# Altium PCB h桥.PcbDoc (part 1 of 2)
Units mil, origin at the board's own origin, x right, y up, seen from the top; angles counter-clockwise.
Board outline 3690 x 3125 mil, 4 copper layers (Top Layer, PWR, GND, Bottom Layer), stack 23.756 mil thick; 113 components, 70 nets, 315 pads, 307 vias.
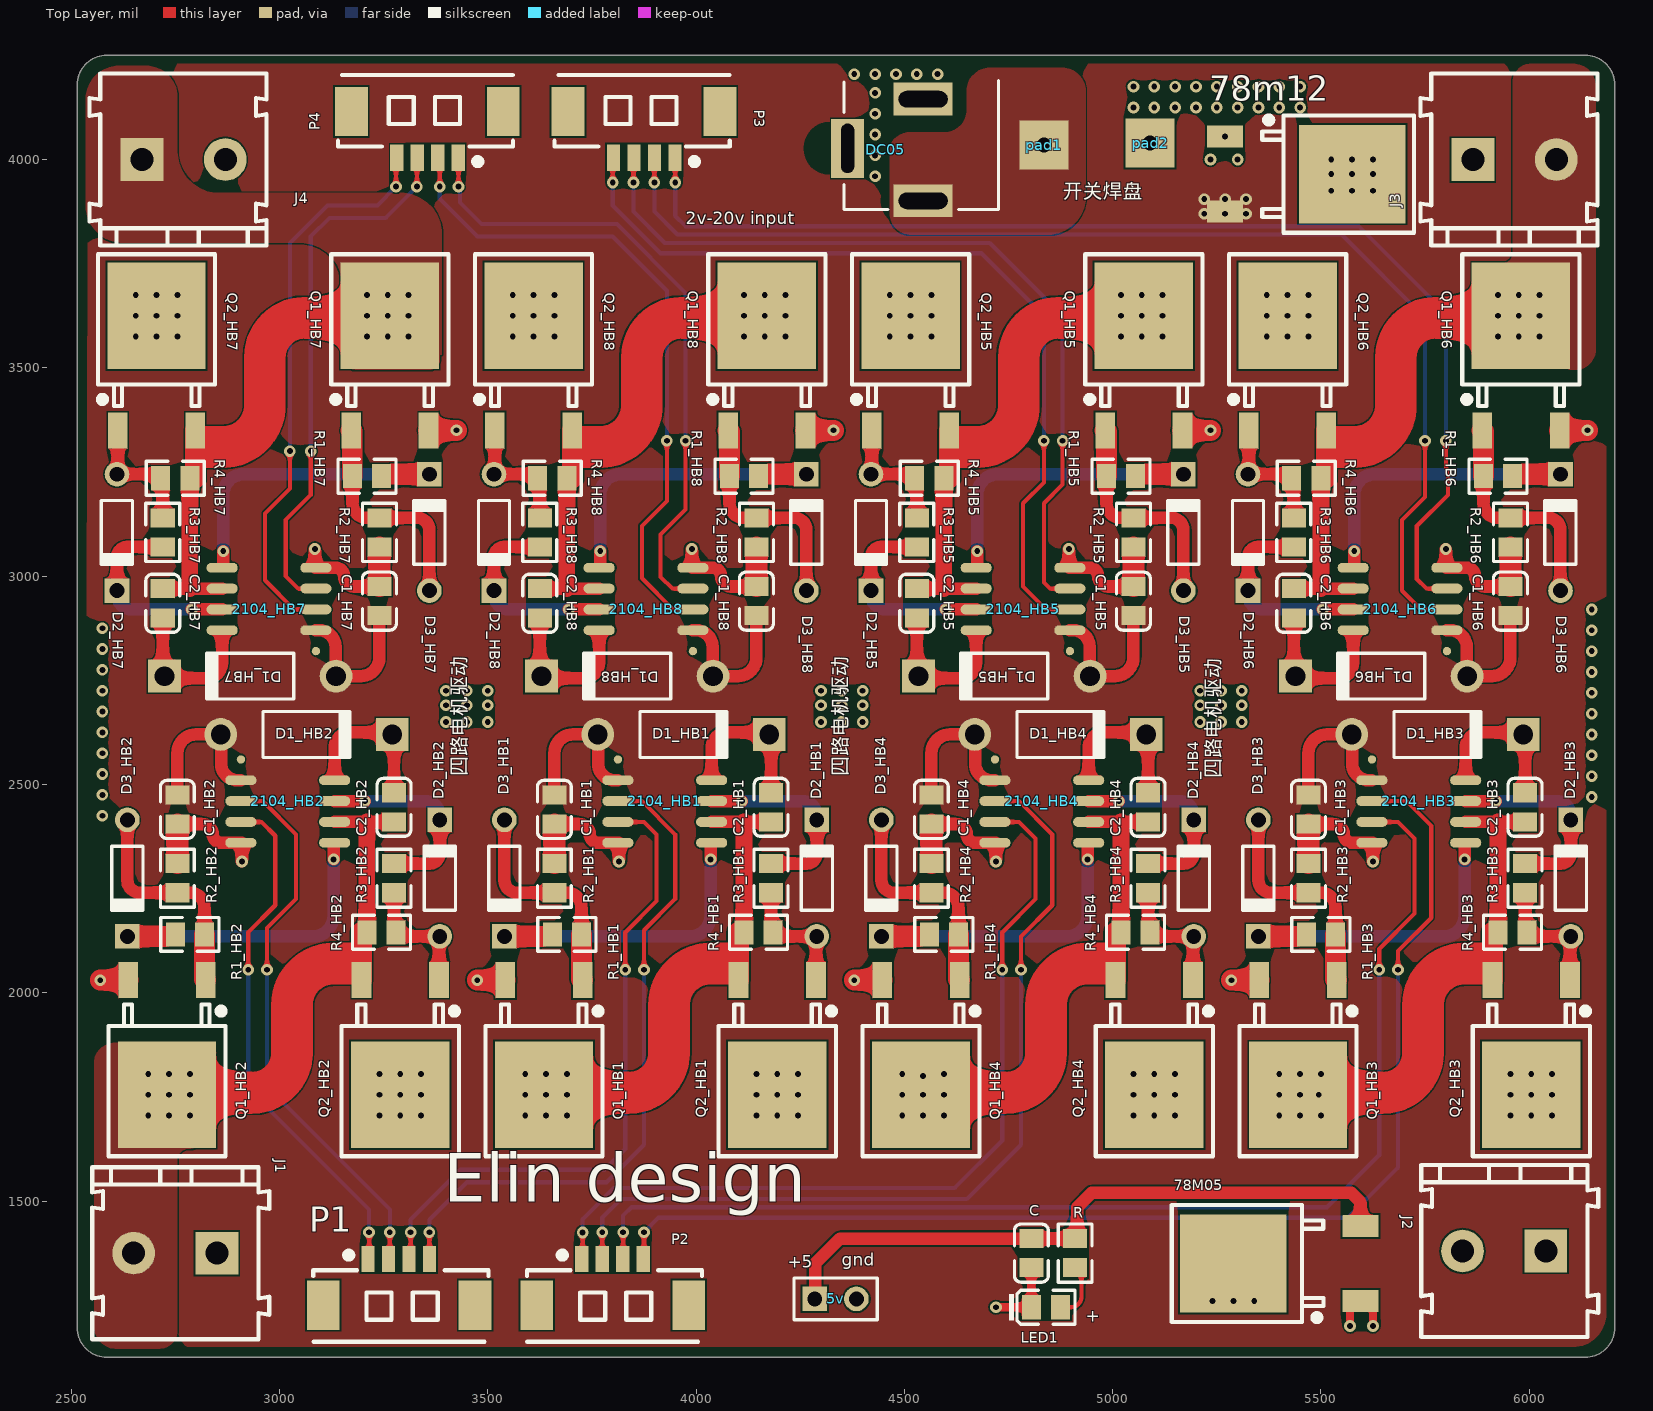
[diagram p0: Top Layer view]
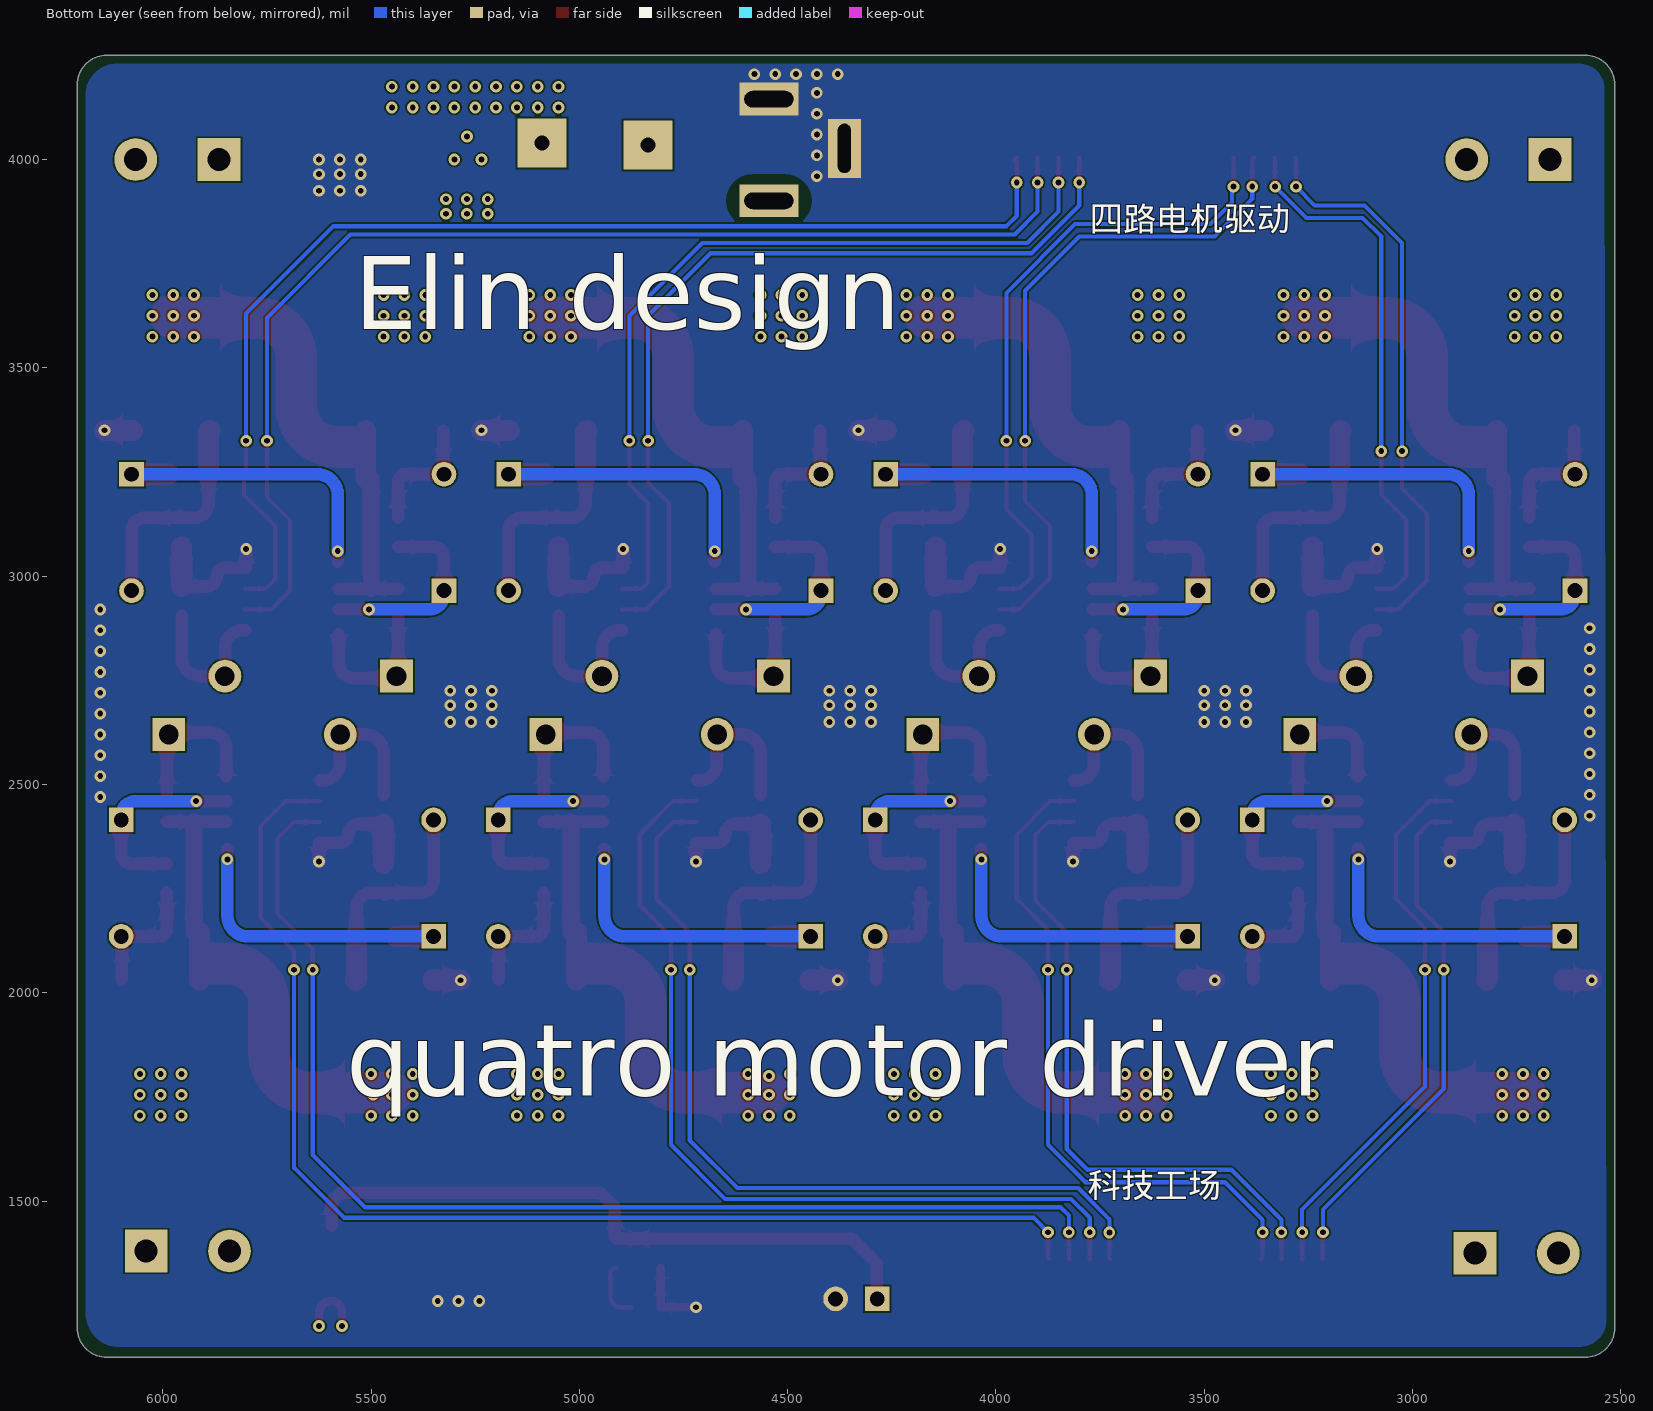
[diagram p1: Bottom Layer view, seen from below]
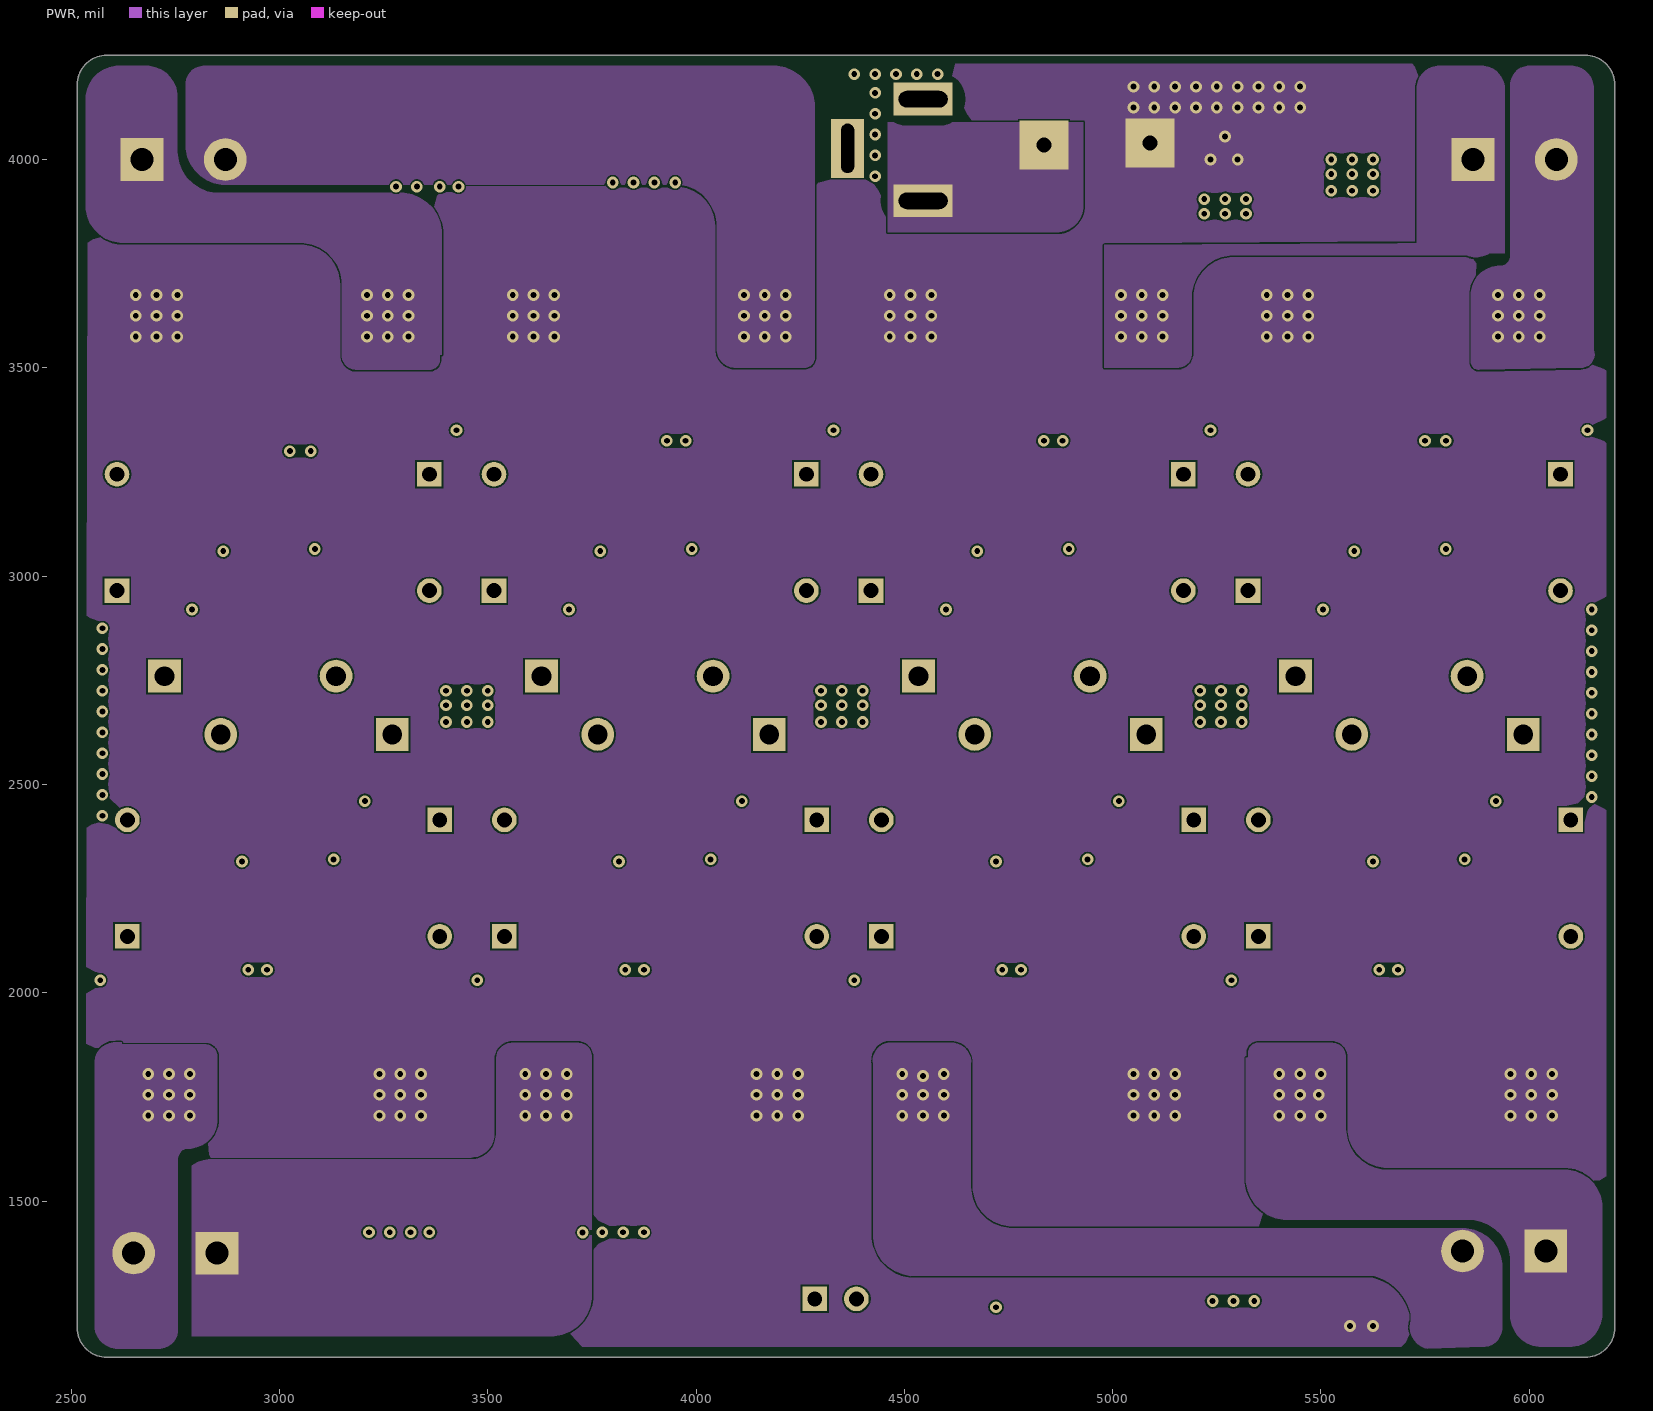
[diagram p2: PWR]
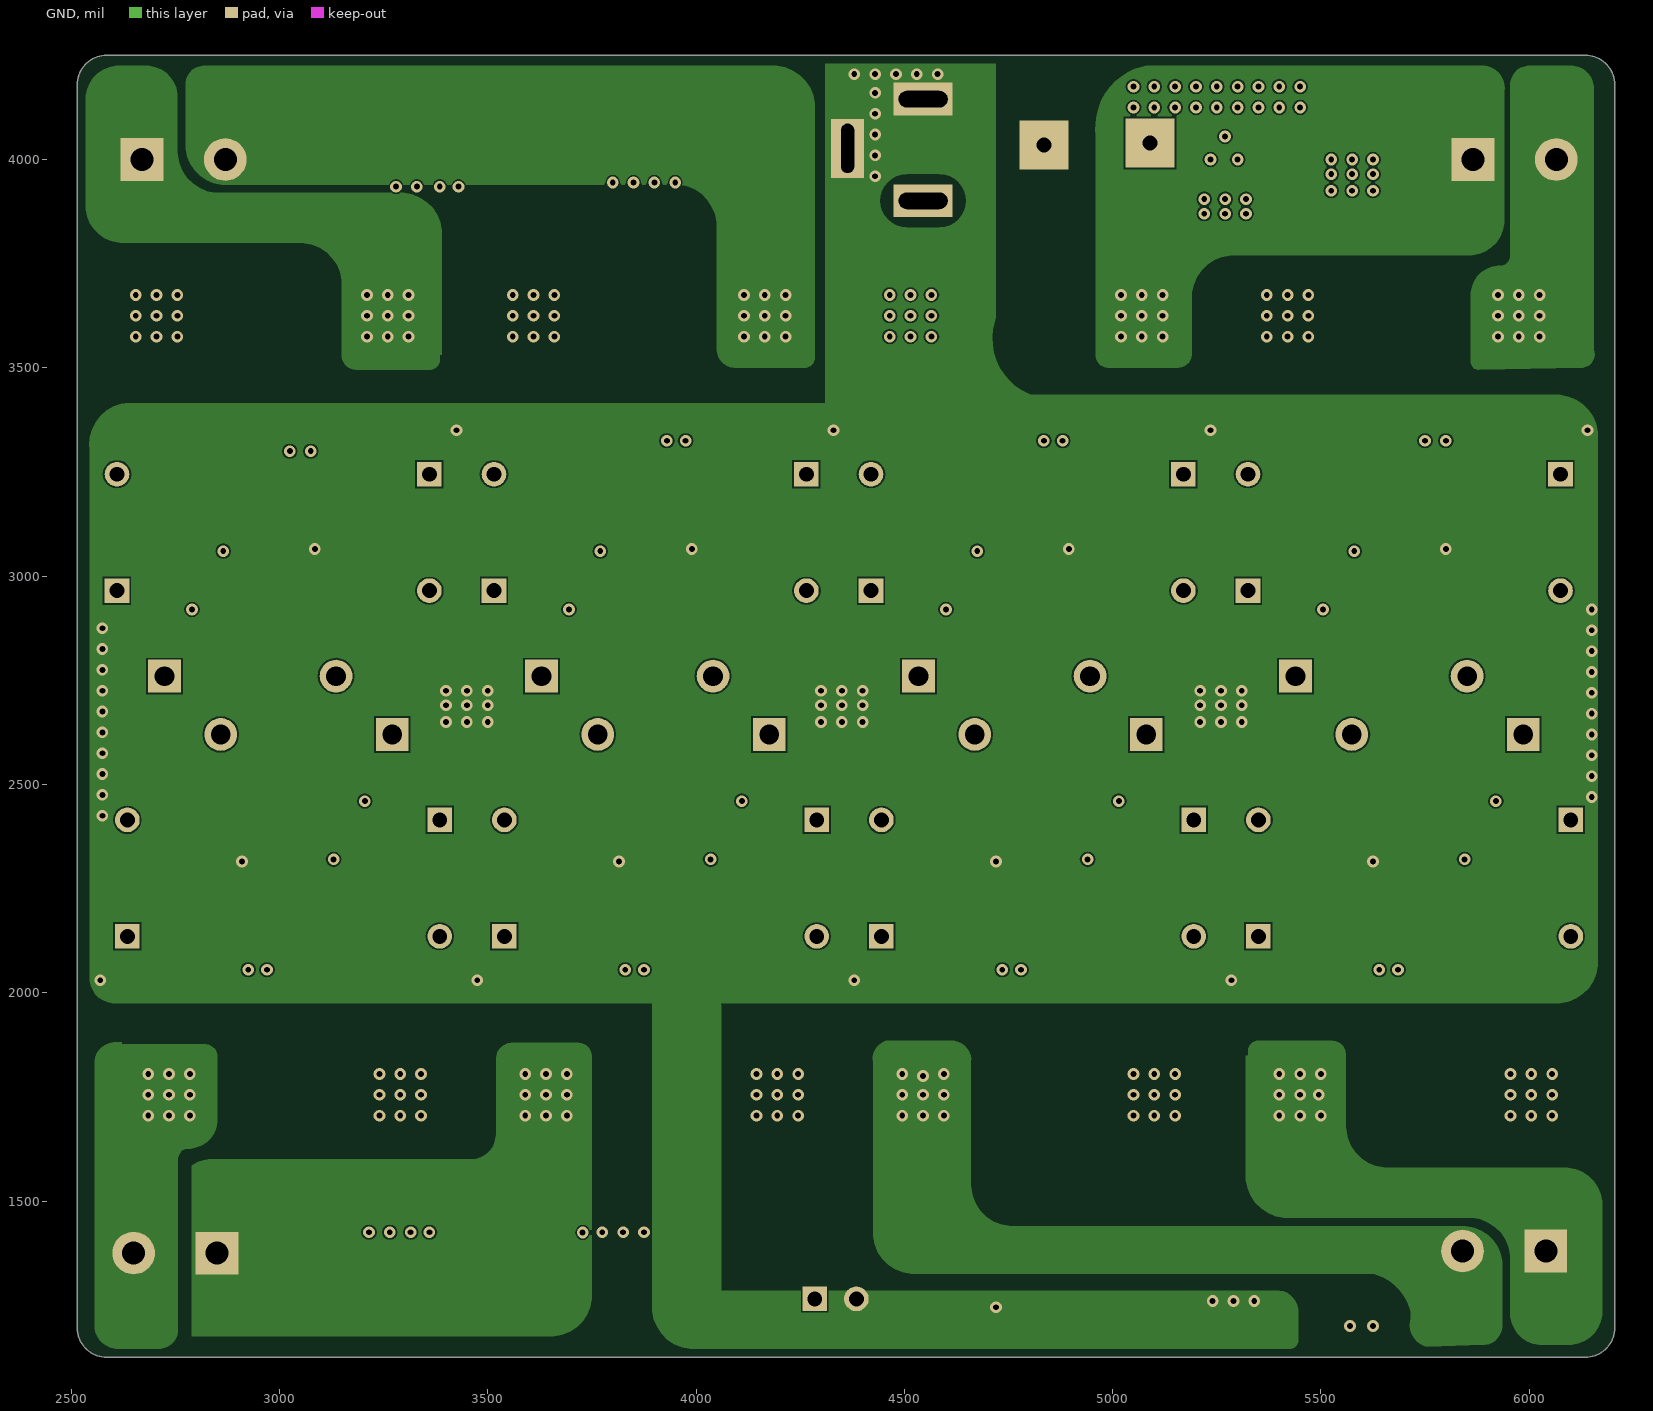
[diagram p3: GND]

## Layer stack, top to bottom
Top Solder: solder mask 0.4, Solder Resist, Dk 3.5
Top Layer: signal copper 1.4
Dielectric 2: prepreg 2.8, PP-006, Dk 4.1
PWR: signal copper 1.378
Dielectric 1: dielectric 12.6, FR-4, Dk 4.8
GND: signal copper 1.378
Dielectric 3: prepreg 2.8, PP-006, Dk 4.1
Bottom Layer: signal copper 1.4
Bottom Solder: solder mask 0.4, Solder Resist, Dk 3.5

## Board outline
2515,1195 2515,4180 cw(c2585,4180) 2585,4250 6135,4250 cw(c6135,4180) 6205,4180 6205,1195 cw(c6135,1195) 6135,1125 2585,1125 cw(c2585,1195)

## Design rules (kind name [scope] priority, off if disabled: settings)
Clearance [All] p1: gap=4 ignorepadtopadclearanceinfootprint=FALSE
HoleSize [All] p1: absolutevalues=TRUE maxlimit=200 minlimit=1 maxpercent=80.000 minpercent=20.000
HoleToHoleClearance [All] p1: gap=4 allowstackedmicrovias=TRUE
MinimumSolderMaskSliver [All] p1: minsoldermaskwidth=4
PlaneConnect [All] p1: planeconnectstyle=Direct reliefexpansion=20 reliefentries=4 reliefconductorwidth=10 reliefairgap=10
PolygonConnect [All] p1: connectstyle=Direct reliefconductorwidth=10 reliefentries=4 polygonreliefangle="90 Angle" airgapwidth=10
RoomDefinition HB8 [InComponentClass('HB8')] p1: confinementstyle=ConfineIn formatcopy=TRUE lockcomponents=FALSE outline 4355,3790 3450,3790 3450,2690 4355,2690
RoomDefinition HB7 [InComponentClass('HB7')] p2: confinementstyle=ConfineIn formatcopy=TRUE lockcomponents=FALSE outline 3450,3790 2545,3790 2545,2690 3450,2690
RoomDefinition HB6 [InComponentClass('HB6')] p3: confinementstyle=ConfineIn formatcopy=TRUE lockcomponents=FALSE outline 6165,3790 5260,3790 5260,2690 6165,2690
RoomDefinition HB5 [InComponentClass('HB5')] p4: confinementstyle=ConfineIn formatcopy=TRUE lockcomponents=FALSE outline 5260,3790 4355,3790 4355,2690 5260,2690
RoomDefinition HB4 [InComponentClass('HB4')] p5: confinementstyle=ConfineIn formatcopy=TRUE lockcomponents=FALSE outline 4355,1590 5260,1590 5260,2690 4355,2690
RoomDefinition HB3 [InComponentClass('HB3')] p6: confinementstyle=ConfineIn formatcopy=TRUE lockcomponents=FALSE outline 5260,1590 6165,1590 6165,2690 5260,2690
RoomDefinition HB2 [InComponentClass('HB2')] p7: confinementstyle=ConfineIn formatcopy=TRUE lockcomponents=FALSE outline 2545,1590 3450,1590 3450,2690 2545,2690
RoomDefinition HB1 [InComponentClass('HB1')] p8: confinementstyle=ConfineIn formatcopy=TRUE lockcomponents=FALSE outline 3450,1590 4355,1590 4355,2690 3450,2690
RoutingVias [All] p1: holewidth=28 width=50 viastyle="Through Hole" minholewidth=14 minwidth=18 maxholewidth=28 maxwidth=50
SilkToSilkClearance [All] p1: silktosilkclearance=4
SilkToSolderMaskClearance [IsPad] p1: minsilkscreentomaskgap=4 clearancetoexposedcopper=TRUE
SolderMaskExpansion [All] p1: expansion=4
Width [All] p1: maxlimit=100 minlimit=10 preferedwidth=10
24 further rules are at their usual default settings.

## Classes and differential pairs
channel class h桥: HB1 HB2 HB3 HB4 HB5 HB6 HB7 HB8
net class SD[1..8]: SD1 SD2 SD3 SD4 SD5 SD6 SD7 SD8
net class PWM[1..8]: PWM1 PWM2 PWM3 PWM4 PWM5 PWM6 PWM7 PWM8
net class MT[1..8]: MT1 MT2 MT3 MT4 MT5 MT6 MT7 MT8
component class 汇总: 5v 78M05 78m12 C DC05 J1 J2 J3 J4 LED1 P2 P3 P4 pad1 pad2 R
component class HB8: 2104_HB8 C1_HB8 C2_HB8 D1_HB8 D2_HB8 D3_HB8 Q1_HB8 Q2_HB8 R1_HB8 R2_HB8 R3_HB8 R4_HB8
component class HB7: 2104_HB7 C1_HB7 C2_HB7 D1_HB7 D2_HB7 D3_HB7 Q1_HB7 Q2_HB7 R1_HB7 R2_HB7 R3_HB7 R4_HB7
component class HB6: 2104_HB6 C1_HB6 C2_HB6 D1_HB6 D2_HB6 D3_HB6 Q1_HB6 Q2_HB6 R1_HB6 R2_HB6 R3_HB6 R4_HB6
component class HB5: 2104_HB5 C1_HB5 C2_HB5 D1_HB5 D2_HB5 D3_HB5 Q1_HB5 Q2_HB5 R1_HB5 R2_HB5 R3_HB5 R4_HB5
component class HB4: 2104_HB4 C1_HB4 C2_HB4 D1_HB4 D2_HB4 D3_HB4 Q1_HB4 Q2_HB4 R1_HB4 R2_HB4 R3_HB4 R4_HB4
component class HB3: 2104_HB3 C1_HB3 C2_HB3 D1_HB3 D2_HB3 D3_HB3 Q1_HB3 Q2_HB3 R1_HB3 R2_HB3 R3_HB3 R4_HB3
component class HB2: 2104_HB2 C1_HB2 C2_HB2 D1_HB2 D2_HB2 D3_HB2 Q1_HB2 Q2_HB2 R1_HB2 R2_HB2 R3_HB2 R4_HB2
component class HB1: 2104_HB1 C1_HB1 C2_HB1 D1_HB1 D2_HB1 D3_HB1 Q1_HB1 Q2_HB1 R1_HB1 R2_HB1 R3_HB1 R4_HB1

## Components (designator, comment, footprint, x,y, rotation, side; value= is the part's Value field where it differs from the comment)
5v "Header 2" HDR1X2 4285,1265 r0 top (schematic designator P10)
78M05 "7805" 78M05 5442.6,1350 r180 top
78m12 "7812" 78M05 5422.4,3965 r0 top
2104_HB1 "mos管控制" SOP8 3925,2435 r270 top (schematic designator 2104)
2104_HB2 "mos管控制" SOP8 3020,2435 r270 top (schematic designator 2104)
2104_HB3 "mos管控制" SOP8 5735,2435 r270 top (schematic designator 2104)
2104_HB4 "mos管控制" SOP8 4830,2435 r270 top (schematic designator 2104)
2104_HB5 "mos管控制" SOP8 4785,2945 r90 top (schematic designator 2104)
2104_HB6 "mos管控制" SOP8 5690,2945 r90 top (schematic designator 2104)
2104_HB7 "mos管控制" SOP8 2975,2945 r90 top (schematic designator 2104)
2104_HB8 "mos管控制" SOP8 3880,2945 r90 top (schematic designator 2104)